# Altium PCB PCB - 100x100 - 85x85.PcbDoc (part 2 of 2)
Units mil, origin at the board's own origin, x right, y up, seen from the top; angles counter-clockwise.
Board outline 3937.01 x 3937.01 mil, 2 copper layers (Top Layer, Bottom Layer); 193 components, 168 nets, 616 pads, 0 vias.
Unrouted connection lines stored in the file: 41.
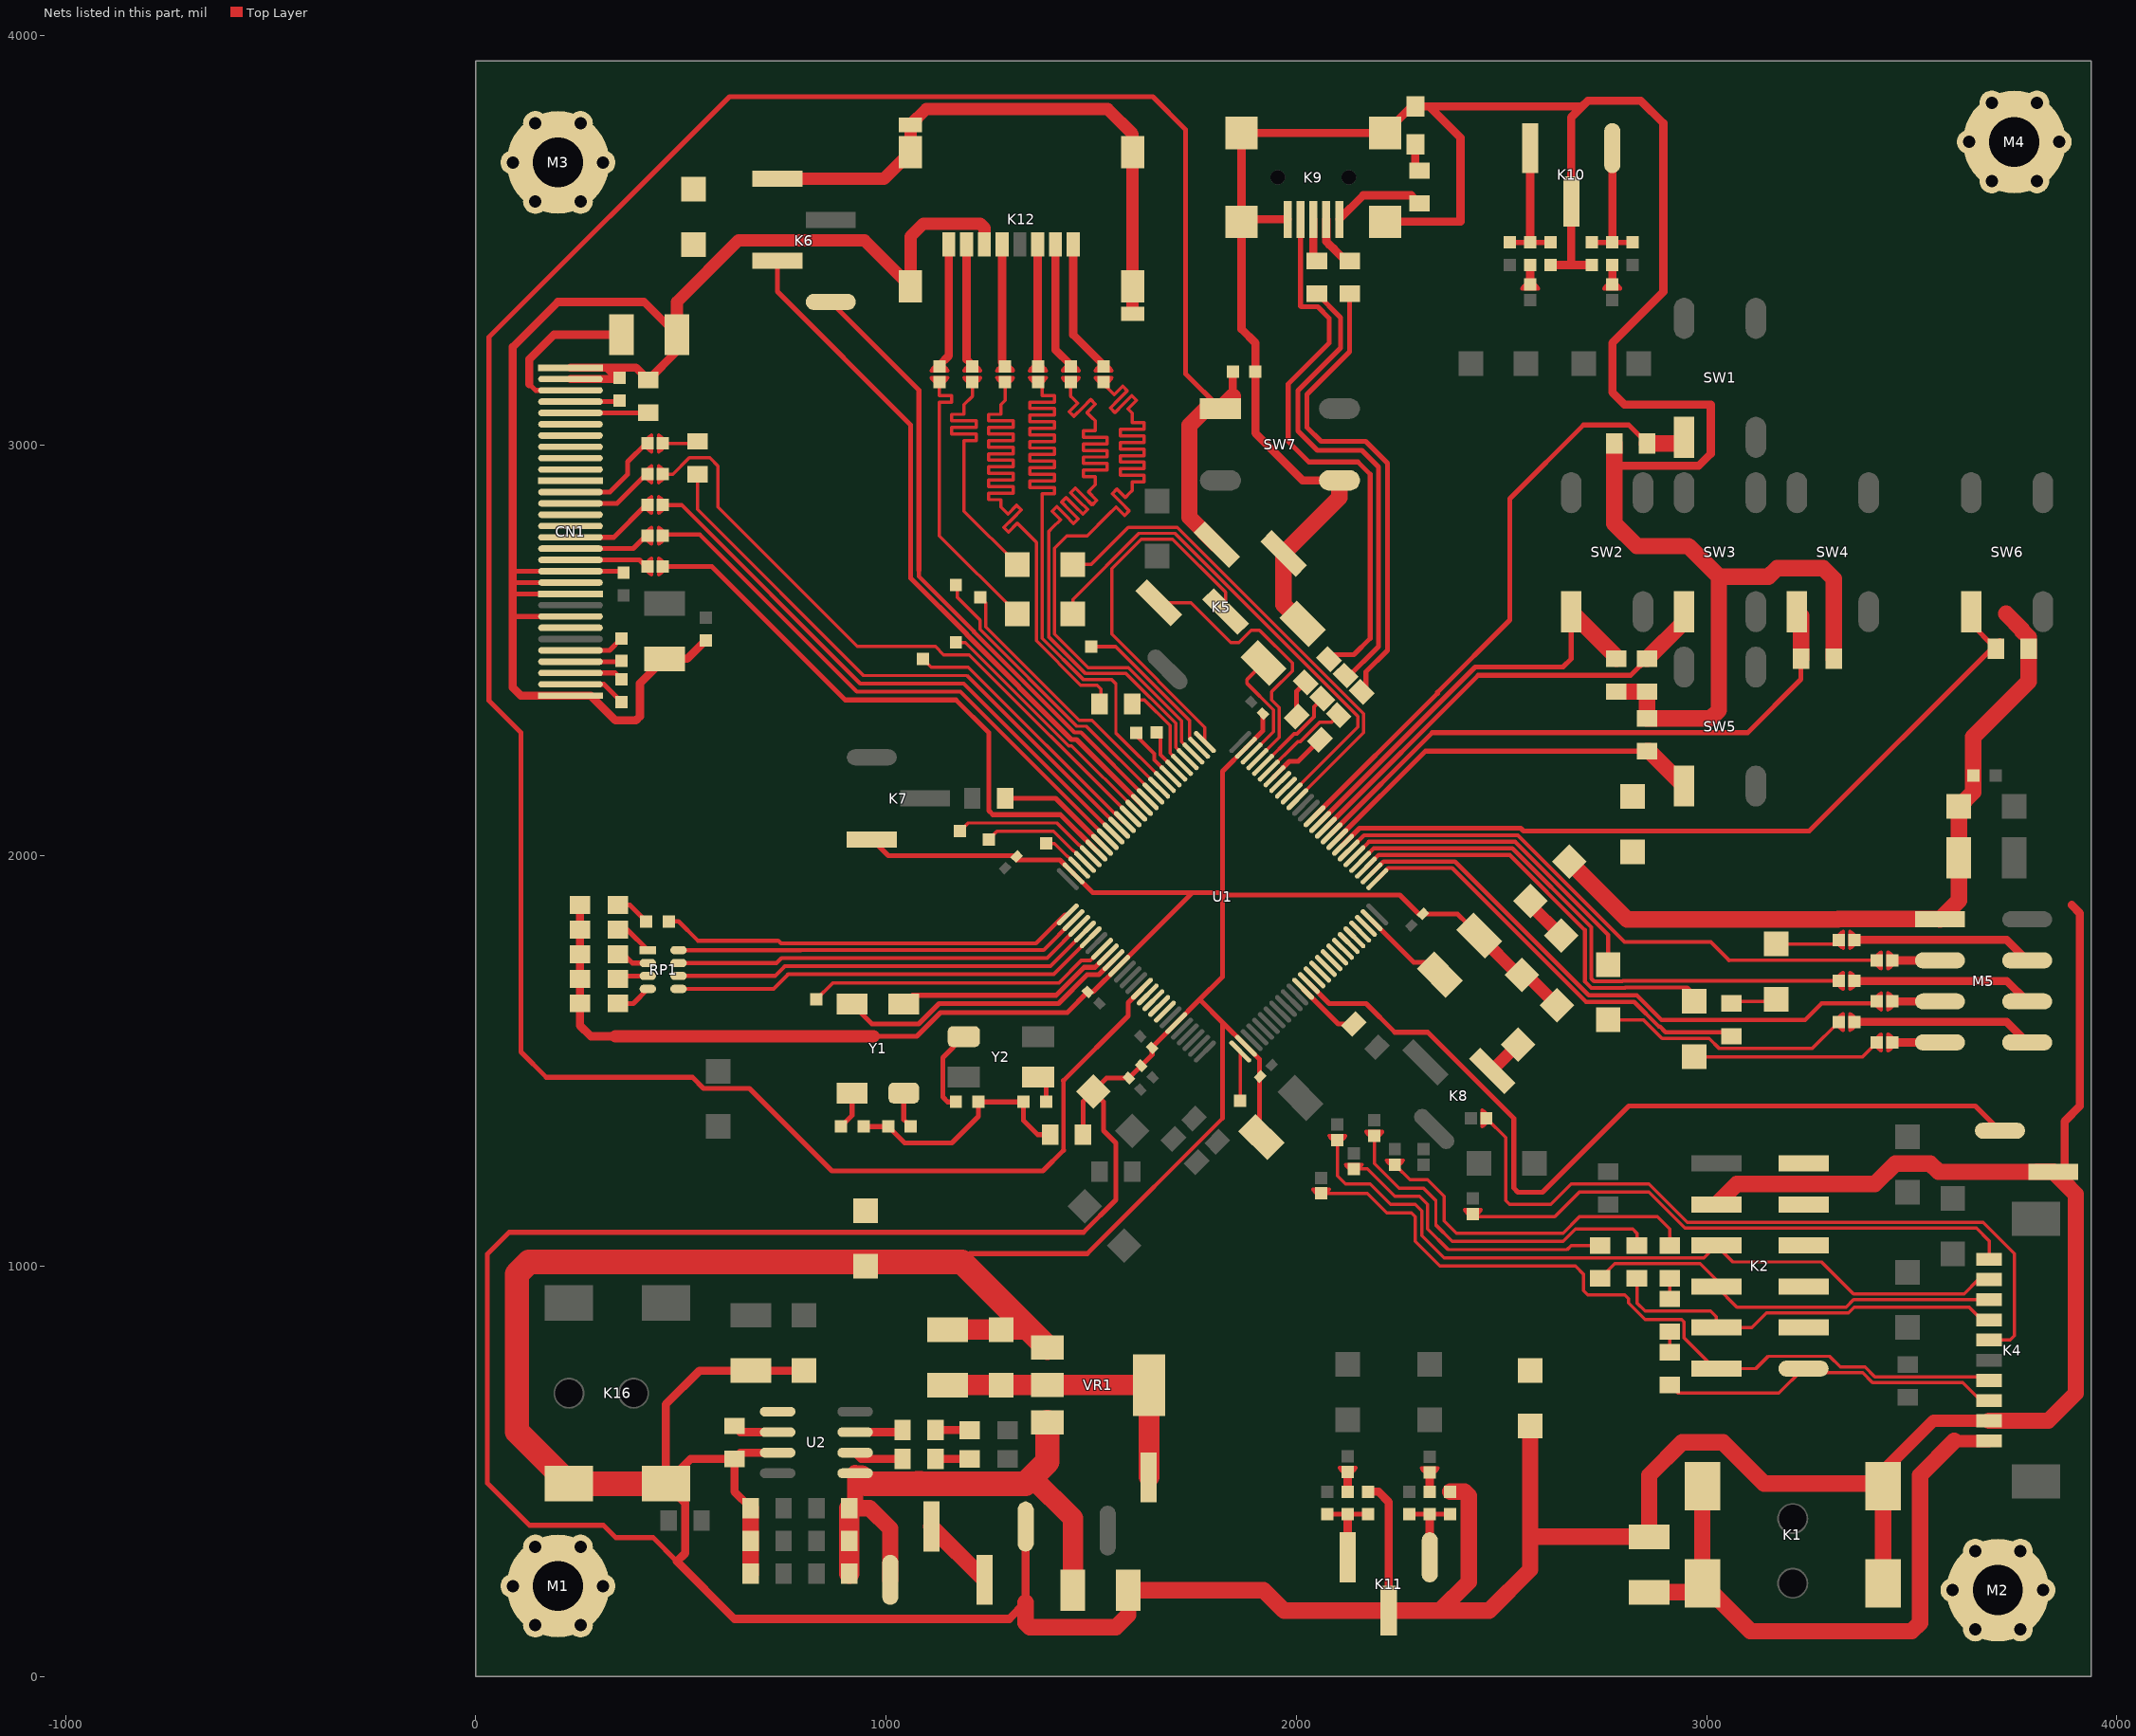
[diagram p2: the nets of this part, all layers, seen from the top]

## Nets (pads, with @x,y where several pads share a name; then routed paths per layer and width w, separated by ;. In a path a pad name is that pad's centre, name@x,y a point inside that pad or via, vN(x,y) a via of type N, cw(c..) or ccw(c..) an arc to the next point about the centre after c; other vN are vias at no path point) (continued)
EXT_SYNC: K3.1 U1.38 | length 2107.4
  Top Layer w12: U1.38@2030.18,1689.82 2080,1640 2170,1640 2240,1570 2320,1570 2530,1360 2530,1190 2540,1180 2600,1180 2810,1390 3655,1390 K3.1@3715,1330
GND: C1.1 C2.2 C3.2 C4.2 C5.2 C6.2 C7.2 C8.2 C9.2 C10.2 C11.2 C12.2 C13.2 C14.2 C15.2 C16.2 C17.1 C18.1 C19.2 C20.1 C21.1 C22.2 C23.1 C24.1 C25.2 C26.1 C27.2 C28.1 C29.2 C32.1 C33.1 C34.2 C35.2 C36.2 C37.2 CN1.1 CN1.8 CN1.10 CN1.11 CN1.12 CN1.29 CN1.30 D1.K D2.K D3.K D4.K D5.K D6.K K1.GND K2.10 K3.2 K4.9 K5.5 K6.4 K7.3 K8.3 K9.5 K9.M1 K9.M2 K9.M3 K9.M4 K10.2 K11.2 K12.6 K14.1 K16.GND M1.1 M1.2 M1.3 M1.4 M1.5 M1.6 M1.7 M2.1 M2.2 M2.3 M2.4 M2.5 M2.6 M2.7 M3.1 M3.2 M3.3 M3.4 M3.5 M3.6 M3.7 M4.1 M4.2 M4.3 M4.4 M4.5 M4.6 M4.7 M5.1 R3.1 R3.2 R29.1 R29.2 R30.1 R30.2 R31.1 R31.2 R32.1 R32.2 R33.1 R33.2 R34.1 R34.2 R35.1 R35.2 R45.2 R46.2 R47.2 R48.2 R49.2 R50.2 R63.1 R65.2 R67.2 R68.1 R70.2 SW7.2 U1.10 U1.20 U1.27 U1.74 U1.99 U2.3 VR1.1 | length 35584.8
  Top Layer w10: 1490,1030 1820,1360
  Top Layer w12: 91.57,2638.43 CN1.10@230.63,2638.43 ; 94.02,2665.98 CN1.11@230.63,2665.98 ; 96.46,2693.54 CN1.12@230.63,2693.54 356.46,2693.54 C28.1@360,2690 ; 96.69,2583.31 CN1.8@230.63,2583.31 ; 490,280 432,338 340.89,338 310.89,368 130.89,368 28,470.89 28,1029.11 80.89,1082 1480.89,1082 1560,1161.11 1560,1300 1530,1330 1530,1400 C2.2@1504.54,1425.46 ; C10.2@945,1340 C9.2@1005,1340 1045,1300 1160,1300 1225,1365 C11.2@1225,1400 C12.2@1335,1400 1335,1355 1370,1320 R3.2@1400,1320 ; K7.3@965,2040 1005,2000 1310,2000 1320,1990 1423.77,1990 U1.99@1456.7,1957.07 1503.77,1910 1746.48,1910 ; 970,1560 1074.54,1560 1132.54,1618 1441.43,1618 C4.2@1491.72,1668.28 1504.77,1668.28 U1.10@1568.06,1731.57 1746.48,1910 ; 1204,1030 1490,1030 ; R3.1@1480,1320 1480,1400.92 C2.2@1504.54,1425.46 ; 1820,1360 1820,1593.77 ; C25.2@1910,1319.08 1910,1503.77 U1.27@1877.07,1536.7 1820,1593.77 ; C5.2@1918.28,2346.72 1918.28,2304.51 U1.74@1877.07,2263.3 1820,2206.23 1820,1910 ; C16.2@2415.46,1835.46 2392.63,1858.28 C6.2@2308.28,1858.28 2298.28,1858.28 2252.2,1904.37 1825.63,1904.37 1820,1910 ; C2.2@1504.54,1425.46 1537.37,1458.28 C8.2@1591.72,1458.28 1648.28,1514.85 1648.28,1533.41 U1.20@1707.25,1592.38 1763.63,1648.75 ; 1746.48,1910 1820,1910 ; 1763.63,1648.75 1765.02,1648.75 1820,1593.77 ; 1763.63,1648.75 1820,1705.13 1820,1910
  Top Layer w20: CN1.29@230.63,3162.05 347.05,3162.05 319.49,3189.61 ; CN1.30@230.63,3189.61 319.49,3189.61 ; D6.K@253.74,1880 D5.K@253.74,1820 D4.K@253.74,1760 D3.K@253.74,1700 D2.K@253.74,1640 253.74,1586.26 280,1560 340,1560 ; C27.2@560,2525 515,2480 C33.1@460,2480 400,2420 400,2340 390,2330 340,2330 279.61,2390.39 CN1.1@230.63,2390.39 109.61,2390.39 90,2410 90,3240 200,3350 410,3350 C32.1@490,3270 490,3230 R63.1@420,3160 390.39,3189.61 319.49,3189.61 ; R70.2@670,410 630,450 R68.1@630,530 ; U2.3@735.51,545 645,545 R68.1@630,530 ; C37.2@800,745 545,745 463.07,663.07 K16.GND@463.07,469.53 ; K14.1@1340,365 1340,180 1300,140 630,140 490,280 510,300 510,422.6 K16.GND@463.07,469.53 ; K9.M4@1872.14,3551.26 K9.5@1978.44,3551.26 ; SW7.2@2105,2915 2015,2915 1900,3030 C17.1@1900,3180 1900,3250 1866.24,3283.76 K9.M4@1866.24,3545.36 K9.M3@1866.24,3761.89 K9.M1@2216.63,3761.89 2281,3826.26 D1.K@2290,3826.26 2323.74,3826.26 ; C24.1@2175,450 2200,450 2225,425 K11.2@2225,160 ; K9.M2@2216.63,3545.36 2400,3545.36 2400,3750 2323.74,3826.26 ; C23.1@2620,3440 2670,3440 ; C20.1@2720,3440 2670,3440 ; R46.2@2775,2405 R46.2@2780,2400 ; 2775,2950 2776,2951 2981,2951 3010,2980 3010,3100 2800,3100 2770,3130 2770,3250 2894.64,3374.64 2894.64,3785.36 2840,3840 2710,3840 2696.26,3826.26 ; 3872.5,1202.5 3872.5,1352.5 3910,1390 3910,1860 3890,1880 ; K16.GND@463.07,469.53 523.54,530 R68.1@630,530 ; 2323.74,3826.26 2696.26,3826.26 ; 2670,3440 K10.2@2670,3595 2670,3800 2696.26,3826.26
  Top Layer w30: 340,1560 970,1560 ; C32.1@490,3270 490,3350 640,3500 947.36,3500 K12.6@1059.33,3388.03 1059.33,3509.33 1090.92,3540.92 1229.08,3540.92 1239.45,3530.55 K12.6@1239.45,3490.39 ; K6.4@735,3650 994.53,3650 K12.6@1059.33,3714.8 K12.6@1059.33,3781.73 1097.6,3820 1540,3820 1600.67,3759.33 K12.6@1600.67,3714.8 K12.6@1600.67,3388.03 K12.6@1600.67,3321.1 ; C16.2@2445.46,1805.46 2540.92,1710 R33.1@2550,1710 2560.92,1710 R32.2@2635.46,1635.46 ; K8.3@2477.38,1477.38 R32.1@2540,1540 ; R34.1@2570,1890 2570,1880.92 R33.2@2645.46,1805.46 ; K1.GND@3430.47,463.07 3430.47,500.47 3552.76,622.76 K4.9@3688.5,622.76
  Top Layer w40: R67.2@670,250 R65.2@670,330 R70.2@670,410 ; 1340,180 1340,130 1350,120 1560,120 1590,150 C26.1@1590,210 1920,210 1970,160 K11.2@2225,160 2350,160 ; C15.2@2020.46,2560.46 1968.8,2612.11 K5.5@1968.8,2736.88 2105,2873.08 SW7.2@2105,2915 ; C21.1@2375,450 2410,450 2420,440 2420,230 2350,160 ; R29.1@2570,610 2570,340 ; R34.2@2665.46,1985.46 2805.92,1845 3319.98,1845 3320.99,1846.01 3568.7,1846.01 M5.1@3568.7,1845 3615,1891.3 C19.2@3615,2120 3650,2155 C18.1@3650,2195 3650,2290 3785,2425 R50.2@3785,2505 3785,2532.88 3769,2548.88 3769,2551 3730,2590 ; R45.2@2775,3005 2775,2950 2775,2810 2830,2755 2955,2755 3030,2680 ; R46.2@2780,2400 R47.2@2855,2400 R49.2@2855,2335 3010,2335 3030,2355 3030,2680 ; K2.10@3023.7,1150.31 3024.02,1150.31 3073.7,1200 3410,1200 3460,1250 3544.95,1250 3565.26,1229.69 3804.74,1229.69 3805.05,1230 K3.2@3845,1230 3872.5,1202.5 3900,1175 3900,690 3832.76,622.76 K4.9@3688.5,622.76 ; R48.2@3310,2480 3310,2675 3284,2701 3171.8,2701 3150.8,2680 3030,2680 ; K1.GND@3430.47,226.85 K1.GND@3430.47,463.07 3423.54,470 3140,470 3040,570 2940,570 2860,490 C1.1@2860,340 2570,340 ; 2350,160 2470,160 2570,260 2570,340
  Top Layer w50: C34.2@1150,845 1349,845
  Top Layer w60: K16.GND@463.07,469.53 K16.GND@226.85,469.53 100,596.38 100,980 130,1010 1184,1010 1349,845 VR1.1@1393,801
INPUT0: R45.1 SW1.1 U1.62 | length 1492.9
  Top Layer w12: U1.62@2044.1,2096.26 2343.92,2396.08 ; 2343.92,2398.46 2520,2574.54 2520,2870 2700,3050 2810,3050 R45.1@2855,3005
  Top Layer w20: SW1.1@2930,3005 SW1.1@2945,3020
  Top Layer w40: R45.1@2855,3005 SW1.1@2930,3005
INPUT1: R46.1 SW2.1 U1.61 | length 1052.3
  Top Layer w12: U1.61@2058.02,2082.34 2435.68,2460 2650,2460 2670,2480 SW2.1@2670,2595
  Top Layer w40: SW2.1@2670,2595 2780,2485 R46.1@2780,2480
INPUT2: R47.1 SW3.1 U1.60 | length 1105.8
  Top Layer w12: U1.60@2071.94,2068.43 2443.52,2440 2815,2440 R47.1@2855,2480
  Top Layer w40: R47.1@2855,2480 2945,2570 SW3.1@2945,2595
INPUT3: R48.1 SW4.1 U1.59 | length 1468.8
  Top Layer w12: U1.59@2085.86,2054.51 2331.36,2300 3100,2300 3230,2430 R48.1@3230,2480
  Top Layer w40: SW4.1@3220,2595 3230,2585 R48.1@3230,2480
INPUT4: R49.1 SW5.1 U1.58 | length 969.2
  Top Layer w12: U1.58@2099.78,2040.59 2314.19,2255 R49.1@2855,2255
  Top Layer w40: R49.1@2855,2255 2860,2255 SW5.1@2945,2170
INPUT5: R50.1 SW6.1 U1.57 | length 1928.4
  Top Layer w12: U1.57@2113.7,2026.67 2154.03,2067 2547.04,2067 2554.04,2060 3250,2060 R50.1@3700,2510 ; SW6.1@3645,2595 3645,2565 R50.1@3700,2510 ; R50.1@3705,2505 R50.1@3700,2510 ; R50.1@3715,2525 R50.1@3700,2510
LED0: R62.1 U1.1 | length 1024.2
  Top Layer w10: R62.1@470,1840 493.99,1840 540.92,1793.07 736.93,1793.07 743.69,1786.31 1365.18,1786.31 1435.71,1856.85 U1.1@1442.78,1856.85
LED1: RP1.8 U1.2 | length 992.8
  Top Layer w10: RP1.8@493.99,1770 792.43,1770 ; 792.43,1770.31 1384.09,1770.31 U1.2@1456.7,1842.93
LED2: RP1.7 U1.3 | length 1014.1
  Top Layer w10: RP1.7@493.99,1738.5 732.83,1738.5 744.95,1750.63 1392.24,1750.63 U1.3@1470.62,1829.01
LED3: RP1.6 U1.4 | length 1035.3
  Top Layer w10: RP1.6@493.99,1707.01 729.17,1707.01 753.11,1730.94 1400.4,1730.94 U1.4@1484.54,1815.09
LED4: RP1.5 U1.5 | length 1056.5
  Top Layer w10: RP1.5@493.99,1675.51 725.51,1675.51 761.26,1711.26 1408.55,1711.26 U1.5@1498.46,1801.17
NetC9_1: C9.1 Y1.1 | length 88.8
  Top Layer w12: Y1.1@1042.99,1421.73 1042.99,1357.01 C9.1@1060,1340
NetC10_1: C10.1 Y1.3 | length 92.9
  Top Layer w12: C10.1@890,1340 917.01,1367.01 Y1.3@917.01,1421.73
NetC11_1: C11.1 Y2.1 | length 205.4
  Top Layer w12: C11.1@1170,1400 1150,1400 1138.08,1411.92 1138.08,1507.84 Y2.1@1189.45,1559.21
NetC12_1: C12.1 Y2.3 | length 68.8
  Top Layer w12: Y2.3@1370.55,1460.79 1390,1441.34 C12.1@1390,1400
NetC15_1: C15.1 U1.73 | length 285.8
  Top Layer w8: U1.73@1890.99,2249.38 1944.19,2302.58 1944.19,2355.49 1880,2419.69 1880,2430 C15.1@1920,2470
NetC16_1: C16.1 U1.49 | length 179.3
  Top Layer w12: U1.49@2183.3,1842.93 2286.23,1740 C16.1@2320,1740
NetC20_2: C20.2 K10.1 R56.2 R58.2 | length 330
  Top Layer w12: C20.2@2720,3495 R56.2@2770,3495 R58.2@2820,3495
  Top Layer w20: R56.2@2770,3495 K10.1@2770,3725
NetC21_2: C21.2 K11.1 R57.2 R59.2 | length 205
  Top Layer w12: R59.2@2275,395 R57.2@2325,395 C21.2@2375,395
  Top Layer w20: K11.1@2325,290 R57.2@2325,395
NetC23_2: C23.2 K10.3 R54.2 R60.2 | length 330
  Top Layer w12: R60.2@2520,3495 R54.2@2570,3495 C23.2@2620,3495
  Top Layer w20: R54.2@2570,3495 K10.3@2570,3725
NetC24_2: C24.2 K11.3 R55.2 R61.2 | length 205
  Top Layer w12: R61.2@2075,395 R55.2@2125,395 C24.2@2175,395
  Top Layer w20: K11.3@2125,290 R55.2@2125,395
NetC29_1: C29.1 CN1.27 | length 120.6
  Top Layer w12: CN1.27@230.63,3106.93 346.93,3106.93 C29.1@350,3110
NetC30_1: C30.1 CN1.5 | length 136.5
  Top Layer w12: CN1.5@230.63,2500.63 325.63,2500.63 C30.1@355,2530
NetC30_2: C30.2 CN1.4 | length 125.2
  Top Layer w12: CN1.4@230.63,2473.07 353.07,2473.07 C30.2@355,2475
NetC31_1: C31.1 CN1.3 | length 130.8
  Top Layer w12: CN1.3@230.63,2445.51 339.49,2445.51 C31.1@355,2430
NetC31_2: C31.2 CN1.2 | length 142.2
  Top Layer w12: CN1.2@230.63,2417.95 312.05,2417.95 C31.2@355,2375
NetC32_2: C32.2 CN1.28 | length 416.9
  Top Layer w12: 130,3150 145.51,3134.49 CN1.28@230.63,3134.49
  Top Layer w20: 130,3150 130,3210 190,3270 C32.2@355,3270
NetC34_1: C34.1 C35.1 K13.2 VR1.2 VR1.4 | length 715
  Top Layer w50: C34.1@1150,710 VR1.2@1393,710 VR1.4@1641,710 K13.2@1641,486
NetCN1_7: CN1.7
NetCN1_13: CN1.13 J25.2 | length 190.9
  Top Layer w12: CN1.13@230.63,2721.1 398.73,2721.1 J25.2@414.83,2705
NetCN1_14: CN1.14 J28.2 | length 197.2
  Top Layer w12: CN1.14@230.63,2748.66 383.49,2748.66 J28.2@414.83,2780
NetCN1_15: CN1.15 J26.2 | length 216.8
  Top Layer w12: CN1.15@230.63,2776.22 336.05,2776.22 J26.2@414.83,2855
NetCN1_16: CN1.16
NetCN1_17: CN1.17
NetCN1_18: CN1.18 J29.2 | length 213.7
  Top Layer w12: CN1.18@230.63,2858.9 343.73,2858.9 J29.2@414.83,2930
NetCN1_19: CN1.19 J27.2 | length 251
  Top Layer w12: CN1.19@230.63,2886.46 326.46,2886.46 370,2930 370,2960.17 J27.2@414.83,3005
NetCN1_20: CN1.20
NetCN1_21: CN1.21
NetCN1_22: CN1.22
NetCN1_23: CN1.23
NetCN1_24: CN1.24
NetCN1_25: CN1.25
NetCN1_26: CN1.26 R63.2 | length 189.6
  Top Layer w12: CN1.26@230.63,3079.37 419.37,3079.37 R63.2@420,3080
NetD1_A: D1.A R51.2 | length 53.7
  Top Layer w20: R51.2@2290,3680 D1.A@2290,3733.74
NetD2_A: D2.A RP1.4 | length 87.4
  Top Layer w12: D2.A@346.26,1640 383.49,1640 RP1.4@419,1675.51
NetD3_A: D3.A RP1.3 | length 65.7
  Top Layer w12: D3.A@353.27,1707.01 RP1.3@419,1707.01
NetD4_A: D4.A RP1.2 | length 81.6
  Top Layer w12: D4.A@346.26,1760 360,1760 381.5,1738.5 RP1.2@419,1738.5
NetD5_A: D5.A RP1.1 | length 93.5
  Top Layer w12: D5.A@346.26,1820 369,1820 RP1.1@419,1770
NetD6_A: D6.A R62.2 | length 85.3
  Top Layer w12: D6.A@346.26,1880 375,1880 R62.2@415,1840
NetD7_K: D7.K R71.2 | length 83.7
  Top Layer w20: R71.2@1120,600 D7.K@1203.74,600
NetD8_K: D8.K R72.2 | length 83.7
  Top Layer w20: R72.2@1120,530 D8.K@1203.74,530
NetJ1_2: J1.2 K4.1 | length 1380.2
  Top Layer w8: J1.2@2430,1127 2437.76,1120 2630,1120 2690,1180 2859.25,1180 2946.94,1092.31 3657.69,1092.31 3688.5,1061.5 K4.1@3688.5,1016.46
NetJ5_2: J5.2 K4.5 | length 1820.5
  Top Layer w8: J5.2@2463,1360 2465.82,1357.18 2510,1313 2510,1160 2520,1150 2620,1150 2670,1200 2859.05,1200 2952.74,1106.31 3673.69,1106.31 3750,1030 3750,830 3739.61,819.61 K4.5@3688.5,819.61
NetJ9_2: J9.2 M5.5 | length 115.7
  Top Layer w20: J9.2@3453,1645 3456,1645 M5.5@3568.7,1645
NetJ10_2: J10.2 R56.1 | length 47.8
  Top Layer w8: J10.2@2770,3393 J10.2@2770,3396
  Top Layer w20: J10.2@2770,3397.5 R56.1@2770,3440 R56.1@2770,3442.33
NetJ11_2: J11.2 R54.1 | length 47.8
  Top Layer w8: J11.2@2570,3393 J11.2@2570,3396
  Top Layer w20: J11.2@2570,3396 R54.1@2570,3440 R54.1@2570,3440.83
NetJ12_2: J12.2 R57.1 | length 47.8
  Top Layer w8: J12.2@2325,494 J12.2@2325,497
  Top Layer w20: R57.1@2325,447.67 R57.1@2325,450 J12.2@2325,492.5
NetJ13_2: J13.2 R55.1 | length 47.8
  Top Layer w8: J13.2@2125,494.83 J13.2@2125,497.83
  Top Layer w20: R55.1@2125,450 J13.2@2125,494.83
NetJ14_2: J14.2 M5.3 | length 115.7
  Top Layer w20: J14.2@3453,1745 3456,1745 M5.3@3568.7,1745
NetJ15_2: J15.2 M5.7 | length 115.7
  Top Layer w20: J15.2@3453,1545 3456,1545 M5.7@3568.7,1545
NetJ16_1: J16.1 M5.4 | length 442
  Top Layer w20: J16.1@3360,1795 3363,1795 3731.3,1795 M5.4@3781.3,1745
NetJ17_1: J17.1 M5.8 | length 442
  Top Layer w20: J17.1@3360,1595 3363,1595 3731.3,1595 M5.8@3781.3,1545
NetJ18_1: J18.1 M5.6 | length 442
  Top Layer w20: J18.1@3360,1695 3363,1695 3731.3,1695 M5.6@3781.3,1645
NetJ19_2: J19.2 K12.1 | length 325.1
  Top Layer w20: K12.1@1455.98,3490.39 1455.98,3270.02 J19.2@1530,3196
NetJ20_2: J20.2 K12.2 | length 309.9
  Top Layer w20: K12.2@1412.68,3490.39 1412.68,3233.32 J20.2@1450,3196
NetJ21_2: J21.2 K12.3 | length 293.8
  Top Layer w20: J21.2@1369.37,3196.63 K12.3@1369.37,3490.39
NetJ22_2: J22.2 K12.5 | length 287.1
  Top Layer w20: J22.2@1282.76,3203.24 K12.5@1282.76,3490.39
NetJ23_2: J23.2 K12.7 | length 300.1
  Top Layer w20: K12.7@1196.14,3490.39 1196.14,3209.86 J23.2@1210,3196
NetJ24_2: J24.2 K12.8 | length 303.9
  Top Layer w20: J24.2@1130,3196 1152.83,3218.83 K12.8@1152.83,3490.39
NetK2_3: K2.3
NetK2_5: K2.5
NetK2_7: K2.7
NetK2_9: K2.9
NetK2_11: K2.11
NetK9_2: K9.2 R52.1 | length 106.9
  Top Layer w20: K9.2@2072.93,3551.26 2073,3551.19 2073,3497 2082,3488 2082.46,3488 2093,3477.46 2093,3477 R52.1@2110,3460
NetK9_3: K9.3 R53.1 | length 79.8
  Top Layer w20: 2041.43,3471.43 K9.3@2041.43,3551.26
NetK14_2: K14.2 K15.2 | length 183.8
  Top Layer w40: K15.2@1110,365 K14.2@1240,235
NetR43_1: R43.1 U1.94 | length 283.2
  Top Layer w12: R43.1@1290,2140 1412.97,2140 U1.94@1526.3,2026.67
NetR44_1: R44.1 U1.37 | length 159.3
  Top Layer w12: U1.37@2016.26,1675.9 2102.16,1590 R44.1@2140,1590
NetR68_2: R68.2 U2.2 | length 111.7
  Top Layer w20: R68.2@630,610 645,595 U2.2@735.51,595
NetR71_1: R71.1 U2.7 | length 110.5
  Top Layer w20: U2.7@924.49,595 R71.1@1035,595
NetR72_1: R72.1 U2.6 | length 121.7
  Top Layer w20: U2.6@924.49,545 939.49,530 R72.1@1040,530
NetTP1_1: TP1.1 U1.26 | length 119.6
  Top Layer w8: TP1.1@1863.15,1403.15 U1.26@1863.15,1522.78
NetTP2_1: TP2.1 U1.77 | length 390.5
  Top Layer w9: TP2.1@1500,2510 1559.49,2510 1739.57,2329.93 1739.57,2286.66 U1.77@1762.93,2263.3
NetTP3_1: TP3.1 U1.7 | length 747.4
  Top Layer w9: TP3.1@830,1650 870,1690 1421.21,1690 1475.71,1744.5 1497.47,1744.5 U1.7@1526.3,1773.33
NetTP4_1: TP4.1 U1.97 | length 273.9
  Top Layer w8: TP4.1@1250,2040 1270,2060 1407.84,2060 1455.05,2012.79 1456.66,2012.79 U1.97@1484.54,1984.91
NetTP5_1: TP5.1 U1.98 | length 115.1
  Top Layer w8: TP5.1@1380,2030 1410,2030 1441.13,1998.87 1442.74,1998.87 U1.98@1470.62,1970.99
NetTP6_1: TP6.1 U1.90 | length 656.7
  Top Layer w8: TP6.1@1090,2480 1110,2460 1200,2460 1577.66,2082.34 U1.90@1581.98,2082.34
NetTP7_1: TP7.1 U1.96 | length 360.4
  Top Layer w8: TP7.1@1180,2060 1200,2080 1415.68,2080 1468.97,2026.71 1470.58,2026.71 U1.96@1498.46,1998.83
NetTP8_1: TP8.1 U1.81 | length 126.1
  Top Layer w9: TP8.1@1650,2310 1668.49,2291.51 1668.49,2246.38 1679.02,2235.86 U1.81@1707.25,2207.62
NetTP9_1: TP9.1 U1.82 | length 140.8
  Top Layer w9: TP9.1@1610,2300 1610,2292.16 1653.49,2248.67 1653.49,2233.54 1665.1,2221.94 U1.82@1693.33,2193.7
NetTP10_1: TP10.1 U1.88 | length 609.6
  Top Layer w8: TP10.1@1170,2520 1192.72,2520 1445.04,2267.69 1452.31,2267.69 U1.88@1609.82,2110.18
NetTP11_1: TP11.1 U1.84 | length 662.7
  Top Layer w8: TP11.1@1230,2630 1243,2617 1243,2557.4 1470.72,2329.69 1501.67,2329.69 U1.84@1665.49,2165.86
NetTP12_1: TP12.1 U1.85 | length 721
  Top Layer w8: TP12.1@1170,2660 1174,2656 1174,2629.52 1229,2574.52 1229,2551.6 1464.92,2315.69 1487.83,2315.69 U1.85@1651.57,2151.94
NetU1_15: U1.15
NetU1_16: U1.16
NetU1_17: U1.17
NetU1_18: U1.18
NetU1_39: U1.39
NetU1_40: U1.40
NetU1_41: U1.41
NetU1_42: U1.42
NetU1_43: U1.43
NetU1_44: U1.44
NetU1_45: U1.45
NetU1_46: U1.46
NetU1_47: U1.47
NetU1_48: U1.48
NetU1_67: U1.67
NetU1_68: U1.68
NetU2_1: U2.1
NRF_CE: J14.1 U1.56 | length 1429.1
  Top Layer w8: 3055,1745 3412,1745 J14.1@3415,1745
  Top Layer w10: U1.56@2127.62,2012.75 2164.87,2050 2540,2050 2800,1790 3010,1790 3055,1745
NRF_IRQ: J17.2 R42.1 R42.2 U1.55 | length 1412.2
  Top Layer w8: R42.1@2760,1600 2846.16,1600 2891.16,1555 3005.86,1555 3030.86,1530 3257,1530 3319.18,1592.18 J17.2@3322,1595
  Top Layer w10: U1.55@2141.54,1998.83 2176.71,2034 2533.37,2034 2760,1807.37 R42.2@2760,1740
NRF_MISO: J15.1 R40.1 R40.2 U1.53 | length 1473.9
  Top Layer w8: R40.1@2970,1510 3380,1510 3412.18,1542.18 J15.1@3415,1545
  Top Layer w10: U1.53@2169.38,1970.99 2200.39,2002 2520.12,2002 2703,1819.12 2703,1693.82 2718.82,1678 2801.18,1678 2802.18,1679 2953,1679 R40.2@2960,1672
NRF_MOSI: J18.2 U1.54 | length 1388.3
  Top Layer w10: U1.54@2155.46,1984.91 2188.55,2018 2526.75,2018 2719,1825.75 2719,1700.44 2725.44,1694 2794.56,1694 2795.56,1695 J18.2@3322,1695
NRF_SCK: J9.1 U1.52 | length 1424.5
  Top Layer w10: U1.52@2183.3,1957.07 2212.23,1986 2386.63,1986 2712.63,1660 2830,1660 2890,1600 3240,1600 3280,1640 3404.36,1640 3412.18,1647.82 J9.1@3415,1645
NRF_SS: J16.2 R11.1 R11.2 R41.1 R41.2 U1.51 | length 1310.7
  Top Layer w8: R11.2@3050,1645 R41.1@3165,1645 ; R41.2@3170,1785 3312,1785 3319.18,1792.18 J16.2@3322,1795
  Top Layer w10: U1.51@2197.22,1943.15 2224.07,1970 2380,1970 2706,1644 2823.37,1644 2883.37,1584 2886,1584 2900,1570 R11.1@3060,1570
NRST: C17.2 K5.4 SW7.1 U1.14 | length 6913.8
  Top Layer w10: 1432.11,1282.11 1432.11,1452.11
  Top Layer w12: 1432.11,1282.11 1382,1232 868,1232 667,1433 555.03,1433 528.03,1460 171.82,1460 110,1521.82 110,2300 32,2378 32,3264.02 617.98,3850 1650,3850 1730,3770 1730,3175 SW7.1@1815,3090 ; 1432.11,1452.11 1590,1610 1590,1642.16 U1.14@1623.74,1675.9
  Top Layer w20: 1845,3120 C17.2@1845,3180
  Top Layer w40: K5.4@1806.17,2758.09 1739,2825.26 1739,3049 1780,3090 SW7.1@1815,3090 1845,3120
OLED_DC: J26.1 U1.92 | length 1426.9
  Top Layer w10: J26.1@458.83,2855 501.48,2855 936.8,2419.69 1188.96,2419.69 U1.92@1554.14,2054.51
OLED_MOSI: J27.1 R4.1 R4.2 U1.91 | length 1514.3
  Top Layer w8: J27.1@455.83,3005 458.83,3005 R4.2@535,3005 ; R4.1@540,2930 540,2844.32 944.95,2439.37 1197.11,2439.37 U1.91@1568.06,2068.43
OLED_RST: J28.1 U1.93 | length 1389
  Top Layer w10: J28.1@458.65,2782.82 545.83,2782.82 928.64,2400 1180.81,2400 U1.93@1540.22,2040.59
OLED_SCK: J29.1 U1.89 | length 1574.1
  Top Layer w8: J29.1@458.83,2930 480,2930 520,2970 570,2970 590,2950 590,2850 930,2510 1120,2510 1140,2490 1202.16,2490 U1.89@1595.9,2096.26
OLED_SS: J25.1 U1.95 | length 1451.6
  Top Layer w12: J25.1@458.83,2705 575,2705 900,2380 1170,2380 1250,2300 1250,2110 1260,2100 1425.13,2100 U1.95@1512.38,2012.75
PMOD_CS: J7.2 K2.2 K4.7 | length 1929.5
  Top Layer w8: J7.2@2060,1177 2071.09,1177 2173,1177 2220,1130 2280,1130 2290,1120 2290,1060 2350,1000 2680,1000 2700,980 2700,940 2710,930 2800,930 2810,920 2810,910 2850,870 2939.14,870 2945,864.14 2945,825 3020,750 K2.2@3023.7,750 3120,750 3150,780 3300,780 3326,754 3386,754 3410,730 3679.68,730 K4.7@3688.5,721.18
PMOD_INT: J8.2 K2.1 K4.8 R15.1 R15.2 R16.1 R16.2 R17.1 R17.2 | length 1791.4
  Top Layer w8: J8.2@2240,1247 2242.82,1244.18 2277,1210 2320,1210 2360,1170 2360,1110 2390,1080 2650,1080 2690,1120 2880,1120 2910,1090 2910,1070 2930,1050 R16.2@2930,1040 ; R15.2@2910,790 R17.1@2910,840 ; R17.2@2910,920 R16.1@2910,970 ; R15.1@2920,700 2930,690 3176.3,690 K2.1@3236.3,750 3246.3,740 3380.2,740 3404.2,716 3624,716 3668.03,671.97 K4.8@3688.5,671.97
PMOD_MISO: J3.2 K2.6 K4.3 R19.1 R19.2 | length 1745.2
  Top Layer w8: J3.2@2140,1237 2151.09,1237 2173,1237 2240,1170 2300,1170 2320,1150 2320,1090 2370,1040 2660,1040 2670,1050 R19.2@2740,1050 ; R19.1@2740,970 2776,1006 2984,1006 3023.7,966.3 K2.6@3023.7,950 3073.7,900 3340,900 3358.03,918.03 K4.3@3688.5,918.03
PMOD_MOSI: J4.2 K2.4 K4.4 R18.1 R18.2 | length 1859.8
  Top Layer w8: J4.2@2190,1317 2190,1314 2190,1250 2250,1190 2310,1190 2340,1160 2340,1100 2380,1060 2649.8,1060 2679.8,1090 2820,1090 2830,1080 R18.2@2830,1050 ; R18.1@2830,970 2830,910 2850,890 3010,890 3023.7,876.3 K2.4@3023.7,850 3110,850 3146,886 3345.8,886 3359.8,900 3640,900 3671.18,868.82 K4.4@3688.5,868.82
PMOD_SCK: J2.2 K2.8 K4.2 | length 1869.4
  Top Layer w8: J2.2@2100,1307 2100,1304 2100,1220 2120,1200 2180,1200 2230,1150 2290,1150 2306,1134 2306,1074 2360,1020 2993.7,1020 K2.8@3023.7,1050 3063.7,1010 3280,1010 3357.97,932.03 3627.54,932.03 3662.76,967.24 K4.2@3688.5,967.24
RTC_IN: U1.8 Y1.2 | length 547.4
  Top Layer w12: Y1.2@1042.99,1638.27 1064.72,1660 1414.54,1660 1482.54,1728 1508.81,1728 U1.8@1540.22,1759.41
RTC_OUT: U1.9 Y1.4 | length 721.5
  Top Layer w12: Y1.4@917.01,1638.27 965.28,1590 1079.09,1590 1129.09,1640 1420,1640 1490,1710 1518.64,1710 U1.9@1554.14,1745.49
SD_CLK: J22.1 R5.1 R5.2 U1.80 | length 2025.5
  Top Layer w8: J22.1@1290,3155 1290,3152 1290,3110 1280,3100 1280,3092 1280,3076 1250,3076 1250,3060 1280,3060 1310,3060 1310,3044 1280,3044 1250,3044 1250,3028 1280,3028 1310,3028 1310,3012 1280,3012 1250,3012 1250,2996 1280,2996 1310,2996 1310,2980 1280,2980 1250,2980 1250,2964 1280,2964 1310,2964 1310,2948 1280,2948 1250,2948 1250,2932 1280,2932 1310,2932 1310,2916 1280,2916 1250,2916 1250,2900 1280,2900 1310,2900 1310,2884 1280,2884 1250,2884 1250,2868 1280,2868 1280,2852 1280,2850 1285.66,2844.34 1296.97,2833.03 1318.18,2854.24 1329.5,2842.93 1308.28,2821.72 1287.07,2800.5 1298.38,2789.19 1319.6,2810.4 1330,2800 1366,2764 1366,2524 1474,2416 1514,2416 1524,2406 R5.2@1524,2374 ; R5.1@1610,2380 1629.39,2380 1692,2317.39 1692,2250.71 U1.80@1721.17,2221.54
SD_CMD: J21.1 U1.83 | length 2039.7
  Top Layer w8: J21.1@1380,3155 1380,3154.4 1380,3130 1380,3122 1410,3122 1410,3106 1380,3106 1350,3106 1350,3090 1380,3090 1410,3090 1410,3074 1380,3074 1350,3074 1350,3058 1380,3058 1410,3058 1410,3042 1380,3042 1350,3042 1350,3026 1380,3026 1410,3026 1410,3010 1380,3010 1350,3010 1350,2994 1380,2994 1410,2994 1410,2978 1380,2978 1350,2978 1350,2962 1380,2962 1410,2962 1410,2946 1380,2946 1350,2946 1350,2930 1380,2930 1410,2930 1410,2914 1380,2914 1350,2914 1350,2898 1380,2898 1410,2898 1410,2882 1380,2882 1380,2870 1380,2530.2 1480.2,2430 1549.34,2430 1560,2419.34 1560,2299.19 U1.83@1679.41,2179.78
SD_DAT0: J23.1 R38.1 R38.2 U1.65 | length 1931.1
  Top Layer w8: J23.1@1210,3155 1210,3152 1210,3120 1190,3100 1190,3092 1190,3076 1160,3076 1160,3060 1190,3060 1220,3060 1220,3044 1190,3044 1160,3044 1160,3028 1190,3028 1220,3028 1220,3012 1190,3012 1190,3000 1190,2840 R38.1@1320,2710 ; R38.2@1480.32,2710 1500,2710 1590,2800 1709.8,2800 1799.8,2710 1800,2710 2164,2346 2164,2299.68 U1.65@2002.34,2138.02
SD_DAT1: J24.1 R39.1 R39.2 U1.66 | length 1942.1
  Top Layer w8: J24.1@1130,3152 1130,3130 1130,3122 1160,3122 1160,3106 1130,3106 1130,3100 1130,2780 R39.1@1320,2590 ; R39.2@1450,2590 R39.2@1455,2590 1455,2625 1616,2786 1704,2786 2150,2340 2150,2313.52 U1.66@1988.43,2151.94
SD_DAT2: J19.1 U1.78 | length 2056.8
  Top Layer w8: J19.1@1527.18,3152.18 1550,3129.36 1555.66,3123.71 1576.3,3144.35 1587.61,3133.03 1566.97,3112.39 1546.33,3091.75 1557.64,3080.44 1578.28,3101.08 1598.93,3121.72 1610.24,3110.41 1589.6,3089.76 1600,3079.36 1600,3071.36 1600,3055.36 1629.19,3055.36 1629.19,3039.36 1600,3039.36 1570.81,3039.36 1570.81,3023.36 1600,3023.36 1629.19,3023.36 1629.19,3007.36 1600,3007.36 1570.81,3007.36 1570.81,2991.36 1600,2991.36 1629.19,2991.36 1629.19,2975.36 1600,2975.36 1570.81,2975.36 1570.81,2959.36 1600,2959.36 1629.19,2959.36 1629.19,2943.36 1600,2943.36 1570.81,2943.36 1570.81,2927.36 1600,2927.36 1629.19,2927.36 1629.19,2911.36 1600,2911.36 1600,2895.36 1600,2890 1594.34,2884.34 1583.03,2873.03 1562.39,2893.67 1551.07,2882.36 1571.72,2861.72 1592.36,2841.07 1581.04,2829.76 1560.4,2850.4 1540,2830 1490,2780 1440,2780 1410,2750 1410,2540 1492,2458 1590.99,2458 1720,2328.99 1720,2278.39 U1.78@1749.01,2249.38
SD_DAT3: J20.1 U1.79 | length 2056.8
  Top Layer w8: J20.1@1450,3155 1450,3152 1450,3120 1455.66,3114.34 1466.97,3103.03 1446.54,3082.6 1457.86,3071.29 1478.28,3091.72 1498.71,3112.14 1510.02,3100.83 1489.6,3080.4 1500.91,3069.09 1510,3060 1510,3052 1510,3036 1481.11,3036 1481.11,3020 1510,3020 1538.89,3020 1538.89,3004 1510,3004 1481.11,3004 1481.11,2988 1510,2988 1538.89,2988 1538.89,2972 1510,2972 1481.11,2972 1481.11,2956 1510,2956 1538.89,2956 1538.89,2940 1510,2940 1481.11,2940 1481.11,2924 1510,2924 1510,2908 1510,2904 1504.34,2898.34 1493.03,2887.03 1513.46,2866.6 1502.14,2855.29 1481.72,2875.72 1461.29,2896.14 1449.98,2884.83 1470.4,2864.4 1490.83,2843.98 1479.51,2832.66 1459.09,2853.09 1438.66,2873.51 1427.35,2862.2 1447.77,2841.77 1468.2,2821.35 1456.89,2810.03 1436.46,2830.46 1416.03,2850.89 1404.72,2839.57 1425.15,2819.15 1406,2800 1396,2790 1396,2534 1486,2444 1585.19,2444 1706,2323.19 1706,2264.55 U1.79@1735.09,2235.46
SWCLK: K5.3 U1.76 | length 924.7
  Top Layer w8: U1.76@1776.85,2277.22 1776.85,2313.15 1550,2540 1550,2700 1622,2772 1698,2772 1827.38,2642.62 K5.3@1827.38,2595.46
SWDIO: K5.2 U1.72 | length 695.7
  Top Layer w8: K5.2@1664.75,2616.67 1743.33,2616.67 1840,2520 1860,2520 1890,2550 1910,2550 1990,2470 1990,2450 1940,2400 1940,2379.48 1958.19,2361.29 1958.19,2288.74 U1.72@1904.91,2235.46
USART2_RX: K6.2 U1.87 | length 1701.3
  Top Layer w12: K6.2@735,3450 735,3375 1060,3050 1060,2676.97 1197,2539.97 1197,2538.35 1451.66,2283.69 1464.15,2283.69 U1.87@1623.74,2124.1
USART2_TX: K6.1 U1.86 | length 1541.6
  Top Layer w10: 1080,2695.68 1080,2681.01 1214,2547.01 1214,2545.39 1458.71,2300.69 1474.99,2300.69 U1.86@1637.66,2138.02
  Top Layer w12: K6.1@865,3350 1080,3135 1080,2695.68
USB_ID: K9.4 R12.1 R12.2 R13.1 R13.2 U1.69 | length 1625
  Top Layer w12: U1.69@1946.67,2193.7 1982.97,2230 2004.14,2230 R13.1@2057.07,2282.93 ; R13.2@2000.5,2339.5 2000.5,2400.5 R12.1@2022.93,2422.93 ; K9.4@2009.94,3551.26 2009.94,3340 2011.94,3338 2052,3338 2080,3310 2080,3250 1980,3150 1980,3010 2030,2960 2150,2960 2180,2930 2180,2530 2140,2490 R12.2@2080,2490
USB_N: R7.1 R7.2 R52.2 U1.70 | length 1417
  Top Layer w9: U1.70@1932.75,2207.62 2003.31,2278.18 2009.19,2278.18 2056.61,2325.6 2085.6,2325.6 R7.1@2102.93,2342.93
  Top Layer w12: R52.2@2130,3370 2130,3344 2130,3228.89 2025.56,3124.44 2025.56,3044.44 2060,3010 2169.11,3010 2222,2957.11 2222,2500.89 2169.5,2448.38 R7.2@2169.5,2389.5
USB_P: R8.1 R8.2 R53.2 U1.71 | length 1404.4
  Top Layer w9: U1.71@1918.83,2221.54 1994.47,2297.18 2001.32,2297.18 2042.82,2338.68 2042.82,2362.82 R8.1@2062.93,2382.93
  Top Layer w12: R53.2@2050,3370 2108,3312 2108,3238 2003.56,3133.56 2003.56,3035.33 2050.89,2988 2160,2988 2200,2948 2200,2510 R8.2@2124.5,2434.5
VAFE: C1.2 K1.VCC K4.10 | length 1494.2
  Top Layer w30: 3603.54,573.54 K4.10@3688.5,573.54
  Top Layer w40: C1.2@2860,205 K1.VCC@2967.68,205 ; K1.VCC@2989.53,463.07 K1.VCC@2989.53,226.85 3106.38,110 3500,110 3520,130 3520,490 3603.54,573.54
VBAT: C26.2 K15.1 R64.1 R66.1 R69.1 U2.5 VR1.3 | length 1400.1
  Top Layer w20: R69.1@910,410 R69.1@924.49,424.49
  Top Layer w40: R69.1@910,410 960,410 1010,360 K15.1@1010,235 ; R69.1@924.49,424.49 U2.5@924.49,495
  Top Layer w50: R66.1@910,250 R64.1@910,330 R69.1@910,410 ; 1355,485 1455,385 C26.2@1455,210
  Top Layer w60: U2.5@939.49,484 935.49,484 950.49,469 1074.91,469 1075.91,470 1084.09,470 1085.09,469 1339,469 1355,485 1393,523 VR1.3@1393,619
VUSB: K9.1 R51.1 | length 228.2
  Top Layer w20: K9.1@2104.43,3551.26 2163.16,3610 2280,3610 R51.1@2300,3590
pads on no net: K1.0 K1.1 K4.0 K9.0 K16.0 K16.1 SW1.3 SW1.4 SW2.3 SW2.4 SW3.3 SW3.4 SW4.3 SW4.4 SW5.3 SW5.4 SW6.3 SW6.4 SW7.3 SW7.4
copper on no net: | length 15748
  Top Layer w10: 0,0 0,3937.01 3937.01,3937.01 3937.01,0 0,0

## Polygon pours and split planes (outlines as drawn)
NetC34_1 on Top Layer "Top Layer-No Net" (solid, pour order 2): 1450,910 1770,910 1770,490 1770,470 1450,470
GND on Top Layer "Top Layer-No Net" (solid, remove dead copper, pour order 3): 0,0 3937.01,0 3937.01,3937.01 0,3937.01

## Other copper
Top Layer:
  text "ALT0061" at 2970,3530 h60